# KiCad board N2360.kicad_pcb (continued)
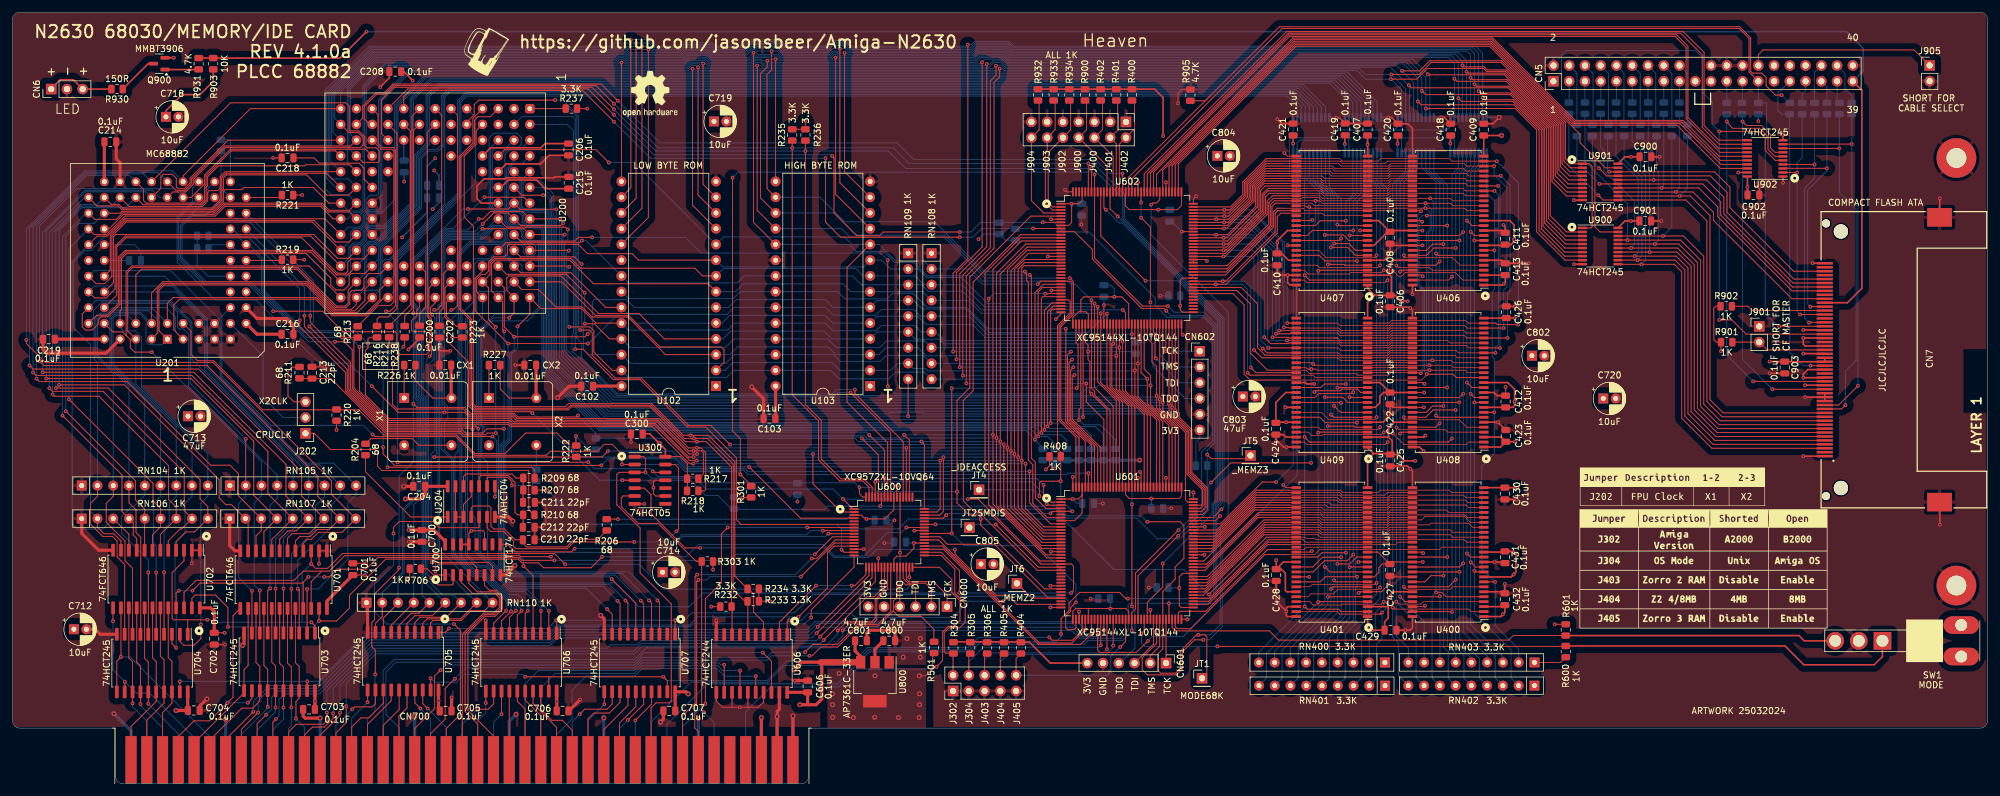
[diagram p0: board, top side]
## Routing (per net, layer and track width the routed paths; a pad name or vN(x,y) marks a point on that pad's centre or on a via; arc(x,y) is an arc through that point) (continued)
EMA1: length 110.8
  Top w0.11: 205.76,99.26 212.74,99.26 213.15,98.86 U407.24 221.63,98.86 222.03,99.26 233.89,99.26 234.3,98.86 U406.24 ; 205.86,73.11 213.68,73.11 214.07,72.72 U409.24 221.92,72.72 222.31,73.11 233.91,73.11 234.3,72.72 U408.24
  Top w0.15: U602.103 v1(194.03,91.08) 196.02,91.08 199.35,94.41 199.35,96.63 201.99,99.26 205.76,99.26 ; 205.86,73.11 v1(204.18,73.11)
  Bottom w0.15: v1(194.03,91.08) 194.03,91.08 199.34,91.08 204.18,86.25 v1(204.18,73.11)
EMA2: length 102.9
  Top w0.11: 237.27,73.52 234.47,73.52 234.07,73.91 222.29,73.91 221.89,73.52 218.54,73.52 ; 204.85,100.05 213.79,100.05 214.18,99.66 U407.25 221.78,99.66 222.18,100.05 233.97,100.05 234.36,99.66 U406.25
  Top w0.15: U408.25 240.37,73.52 v1(240.37,73.52) ; U602.105 196.1,92.08 198.83,94.82 198.83,96.84 202.04,100.05 204.85,100.05 ; U406.25 v1(238.82,99.66)
  Bottom w0.15: v1(240.37,73.52) 240.37,79.66 240.89,80.18 240.89,96.18 238.82,98.26 v1(238.82,99.66)
EMA3: length 106.3
  Top w0.11: U406.26 232.04,100.46 231.64,100.85 220.54,100.85 220.15,100.46 U407.26 214.33,100.46 213.94,100.85 205.5,100.85 ; U408.26 234.61,74.32 234.22,74.71 222.27,74.71 221.88,74.32 U409.26
  Top w0.15: U602.107 196.34,93.08 198.31,95.05 198.31,97.08 202.08,100.85 205.5,100.85 ; U408.26 239.1,74.32 239.34,74.07 v1(242.72,74.07) ; U406.26 239.23,100.46 v1(239.26,100.43)
  Bottom w0.15: v1(239.26,100.43) 242.72,96.96 v1(242.72,74.07)
EMA4: length 85.7
  Top w0.11: U409.29 213.61,74.32 214.02,73.91 221.97,73.91 222.38,74.32 U408.29 ; U406.29 221.67,100.46 221.26,100.05 214.41,100.05 214,100.46 U407.29
  Top w0.15: U407.29 202.08,100.46 198.57,96.95 198.57,94.92 196.23,92.58 v1(195.34,92.58) U602.106 ; U409.29 v1(205.47,74.32)
  Bottom w0.15: v1(195.34,92.58) 199.8,92.58 205.02,87.35 205.02,81.12 205.47,80.68 v1(205.47,74.32)
EMA5: length 86.3
  Top w0.11: U406.30 222.12,99.66 221.71,99.25 213.15,99.25 212.75,99.66 U407.30 ; 225.77,73.52 222.2,73.52 221.8,73.11 214.15,73.11 213.74,73.52 207.04,73.52
  Top w0.15: U602.104 v1(195.34,91.58) 196.03,91.58 199.09,94.64 199.09,96.74 202.01,99.66 U407.30 ; v1(204.92,73.62) 205.68,73.62 205.79,73.52 U409.30
  Bottom w0.15: v1(195.34,91.58) 200.43,91.58 204.76,87.25 204.76,80.32 204.92,80.16 v1(204.92,73.62)
EMA6: length 86.6
  Top w0.11: U409.31 213.58,72.72 213.97,72.32 222,72.32 222.4,72.72 U408.31 ; U406.31 222.1,98.86 221.71,98.46 212.82,98.46 212.43,98.86 U407.31
  Top w0.15: U407.31 201.95,98.86 199.61,96.52 199.61,94.26 195.93,90.58 v1(195.31,90.58) U602.102 ; v1(203.67,72.59) 205.89,72.59 206.02,72.72 U409.31
  Bottom w0.15: v1(203.67,72.59) 203.67,86.2 199.3,90.58 v1(195.31,90.58)
EMA7: length 87.3
  Top w0.11: 213.04,71.92 U409.32 ; 213.04,71.92 213.6,71.92 ; 213.04,71.92 213.6,71.92 ; 213.6,71.92 214,71.51 221.99,71.51 222.4,71.92 U408.32 ; U406.32 222.07,98.06 221.66,97.65 211.5,97.65 211.09,98.06 U407.32
  Top w0.15: U602.100 v1(195.3,89.58) 195.69,89.58 200.13,94.02 200.13,96.3 201.88,98.06 U407.32 ; U409.32 205.75,71.92 205.64,72.02 v1(203.09,72.02)
  Bottom w0.15: v1(195.3,89.58) 199.52,89.58 203.09,86 v1(203.09,72.02)
EMA8: length 87.3
  Top w0.11: U406.33 222.14,97.26 221.74,96.86 211.27,96.86 210.88,97.26 U407.33 ; 207.04,71.12 213.7,71.12 214.11,70.71 221.84,70.71 222.24,71.12 225.77,71.12
  Top w0.15: v1(201.77,72.04) 202.8,71.01 205.68,71.01 205.79,71.12 U409.33 ; U602.97 v1(195.23,88.08) 195.71,88.08 200.65,93.02 200.65,96.09 201.82,97.26 U407.33
  Bottom w0.15: v1(195.23,88.08) 199.64,88.08 201.77,85.94 v1(201.77,72.04)
EMA9: length 87.5
  Top w0.11: U409.34 213.67,70.32 214.06,69.92 221.85,69.92 222.24,70.32 U408.34 ; U406.34 222.11,96.46 221.7,96.05 211.22,96.05 210.81,96.46 U407.34
  Top w0.15: U602.95 v1(195.23,87.08) 195.85,87.08 201.2,92.43 201.2,95.71 201.95,96.46 U407.34 ; U409.34 v1(202.43,70.32)
  Bottom w0.15: v1(195.23,87.08) 199.95,87.08 201.24,85.78 201.24,71.52 202.44,70.32
EMA10: length 112.1
  Top w0.11: 218.55,71.12 214.06,71.12 213.67,71.51 205.44,71.51 v1(205.43,71.51) ; U406.22 234.5,97.26 234.09,97.66 222.23,97.66 221.82,97.26 U407.22 211.25,97.26 210.86,97.65 205.81,97.65 ; 218.54,71.12 221.93,71.12 222.32,71.51 231.32,71.51 231.71,71.12 237.27,71.12
  Top w0.15: 205.81,97.65 201.85,97.65 200.39,96.2 200.39,93.13 195.84,88.58 v1(194,88.58) U602.98
  Bottom w0.15: v1(194,88.58) 199.77,88.58 202.3,86.04 202.3,71.68 202.47,71.51 v1(205.43,71.51)
EMA11: length 87.3
  Top w0.11: U406.35 222.12,95.66 221.72,95.25 211.28,95.25 210.88,95.66 U407.35 ; U408.35 222.07,69.52 221.66,69.11 214.15,69.11 213.74,69.52 U409.35
  Top w0.15: U409.35 202.23,69.52 v1(201.52,70.22) ; U407.35 202.36,95.66 201.72,95.02 201.72,92.17 195.63,86.08 v1(195.22,86.08) U602.93
  Bottom w0.15: v1(201.52,70.22) 200.76,70.98 200.76,85.27 199.96,86.08 v1(195.22,86.08)
EMA12: length 87.2
  Top w0.11: U406.36 222.12,94.86 221.72,94.46 211.16,94.46 210.76,94.86 U407.36 ; U408.36 222.18,68.72 221.77,68.31 213.99,68.31 213.58,68.72 U409.36
  Top w0.15: U409.36 201.39,68.72 v1(200.13,69.97) ; U407.36 203.09,94.86 202.24,94.01 202.24,91.85 195.47,85.08 v1(195.19,85.08) U602.91
  Bottom w0.15: v1(195.19,85.08) 199.72,85.08 200.12,84.67 200.12,69.98 v1(200.13,69.97)
EMCLKE: length 87.7
  Top w0.11: U407.37 v1(210.06,94.06) 210.7,94.06 211.1,93.65 221.7,93.65 222.1,94.06 U406.37 ; 225.77,67.92 222.21,67.92 221.8,67.51 209.87,67.51 v1(209.65,67.72) 209.46,67.92 207.04,67.92
  Top w0.15: U407.37 203.41,94.06 202.76,93.41 202.76,90.09 195.75,83.08 U602.87
  Bottom w0.15: 210.04,94.05 210.04,90.6 209.65,90.21 v1(209.65,67.72)
EMD0: length 117
  Top w0.15: U401.2 214.18,27.76 213.79,28.14 208.72,28.14 v1(208.28,28.59) ; v1(208.28,55.94) 209.1,55.12 U409.2 ; v1(208.28,82.04) 209.07,81.26 U407.2
  Bottom w0.15: RN400.9 200.91,21.22 v1(208.28,28.59) 208.28,55.12 v1(208.28,82.04) 208.28,97.46 207.73,98.02 U421.18
EMD1: length 114.9
  Top w0.15: U409.4 210.54,56.72 v1(210.46,56.64) ; v1(210.47,29.3) 210.53,29.36 U401.4 ; v1(210.47,82.75) 210.58,82.86 U407.4
  Bottom w0.15: RN401.9 202.13,17.01 202.13,20.96 v1(210.47,29.3) 210.47,56.72 ; 210.47,56.74 v1(210.47,82.75) 210.47,93.35 210.67,93.56 210.67,95.5 208.38,97.8 U421.17
EMD2: length 109.8
  Top w0.15: U401.5 212.05,30.16 v1(212.02,30.13) ; U409.5 216.45,57.52 216.27,57.69 v1(212.02,57.69) ; U407.5 214.76,83.66 214.62,83.79 v1(212.02,83.79)
  Bottom w0.15: U421.15 209.68,97.43 212.02,95.08 v1(212.02,83.79) v1(212.02,57.69) v1(212.02,30.13) 212.02,28.93 204.64,21.55 204.64,16.98 203.47,15.8
EMD3: length 104.4
  Top w0.15: U409.7 212.95,59.12 v1(212.53,59.54) ; U401.7 212.86,31.76 v1(212.52,31.42) ; U407.7 216.49,85.26 215.21,86.54 v1(212.52,86.54)
  Bottom w0.15: RN400.7 205.99,21.87 212.52,28.4 v1(212.52,31.42) v1(212.52,86.54) 212.52,94.95 210.33,97.14 U421.14
EMD4: length 106.9
  Top w0.15: v1(213.01,60.97) 214.07,59.92 U409.8 ; U407.8 216.51,86.06 215.42,87.14 v1(213.01,87.14) ; U401.8 213.27,32.56 v1(213.01,32.81)
  Bottom w0.15: RN401.7 207.25,17.05 207.25,22.31 213.01,28.07 v1(213.01,32.81) v1(213.01,60.97) v1(213.01,87.14) 213.01,94.82 210.98,96.86 U421.13
EMD5: length 108.4
  Top w0.15: U409.10 215.25,61.52 214.41,62.36 v1(211.53,62.36) ; U407.10 215.4,87.66 214.51,88.55 211.54,88.55 v1(211.53,88.54) ; U401.10 212.36,34.16 v1(211.53,34.99)
  Bottom w0.15: U421.16 209.03,97.71 211.53,95.21 v1(211.53,88.54) v1(211.53,62.36) v1(211.53,34.99) 211.53,29.45 203.45,21.37 RN400.8
EMD6: length 97
  Top w0.15: U401.11 215.56,34.96 v1(215.53,34.93) ; v1(215.53,88.46) U407.11 ; U409.11 215.56,62.32 v1(215.52,62.35)
  Bottom w0.15: U420.17 216.71,95.26 215.53,94.09 v1(215.53,88.46) v1(215.53,34.93) 215.53,26.72 212.26,23.45 212.26,16.98 211.09,15.8
EMD7: length 100.3
  Top w0.15: U409.13 213.58,63.92 v1(213.56,63.9) ; v1(213.56,35.46) 215.55,35.46 216.65,36.56 U401.13 ; v1(213.56,90.24) 213.74,90.06 U407.13
  Bottom w0.15: 211.63,101.76 211.63,96.58 213.56,94.65 v1(213.56,90.24) 213.56,62.32 213.56,62.32 v1(213.56,35.46) 213.56,27.6 208.53,22.57 RN400.6
EMD8: length 109.2
  Top w0.15: v1(214.93,37.26) 211.09,37.26 210.39,36.56 U401.42 ; U409.42 210.9,63.92 211.47,64.49 v1(214.93,64.49) ; v1(214.93,90.83) 210.79,90.83 210.02,90.06 U407.42
  Bottom w0.15: RN400.5 211.07,23.22 214.93,27.08 v1(214.93,37.26) 214.93,63.89 214.93,63.89 v1(214.93,90.83) 214.93,93.86 216.06,94.99 U420.18
EMD9: length 113.2
  Top w0.15: U407.44 208.74,88.46 209.54,89.26 v1(216.13,89.26) ; U401.45 209.67,34.16 211.47,35.96 215.13,35.96 v1(216.13,36.96) ; U409.44 209.92,62.32 210.54,62.94 215.91,62.94 v1(216.12,63.15)
  Bottom w0.15: RN400.4 213.61,23.85 216.13,26.37 v1(216.13,36.96) v1(216.13,89.26) 216.13,94.03 217.36,95.25 U420.16
EMD10: length 111.5
  Top w0.15: v1(214.16,87.97) 213.85,87.66 U407.45 ; U401.44 209.6,34.96 211.18,36.54 v1(214.16,36.54) ; U409.45 214.08,61.52 v1(214.15,61.44)
  Bottom w0.15: U421.11 212.28,96.31 214.16,94.43 v1(214.16,87.97) v1(214.16,36.54) 214.16,27.07 209.73,22.64 209.73,16.99 RN401.6
EMD11: length 124.9
  Top w0.11: v1(219.88,85.26) 219.88,85.11 219.63,84.86 211.77,84.86 210.57,86.06 U407.47 ; 219.9,32.43 219.62,32.15 209.55,32.15 209.16,31.76 U401.48 ; v1(219.88,59.15) 219.46,58.72 212.19,58.72 210.99,59.92 U409.47
  Bottom w0.15: RN400.3 216.15,24.35 218.09,26.29 218.09,28.8 219.88,30.59 v1(219.88,32.39) v1(219.88,59.15) v1(219.88,85.26) 219.88,96.27 218.66,97.5 U420.14
EMD12: length 118.5
  Top w0.15: U407.48 210.64,85.26 211.55,84.35 v1(216.73,84.35) ; U409.48 210.74,59.12 211.61,58.24 v1(216.72,58.24) ; U401.47 210.79,32.56 211.62,33.39 v1(216.73,33.39)
  Bottom w0.15: RN401.4 214.82,17 214.82,24.1 216.5,25.78 216.5,31.52 216.73,31.75 v1(216.73,33.39) 216.44,33.68 216.44,36.13 216.73,36.42 216.73,37.29 216.73,59.93 v1(216.73,84.35) 216.73,93.89 218.01,95.17 U420.15
EMD13: length 130.1
  Top w0.11: U407.50 210.32,83.66 210.72,83.26 220.06,83.26 v1(220.45,83.66) ; v1(220.45,31.67) 220.15,31.37 213.64,31.37 212.88,30.61 209.29,30.61 208.84,30.16 U401.50 ; U409.50 210.47,57.52 210.88,57.11 220.03,57.11 v1(220.45,57.53)
  Bottom w0.15: U420.13 219.31,97.33 220.45,96.19 v1(220.45,83.66) v1(220.45,57.53) v1(220.45,31.67) 220.45,29.84 218.63,28.02 218.63,25.59 217.44,24.4 217.44,17.08 RN401.3
EMD14: length 127.4
  Top w0.11: U409.51 208.87,56.72 209.42,56.17 211.09,56.17 211.24,56.32 220.67,56.32 v1(221.05,56.71) ; v1(221.05,29.35) 220.67,28.97 214.4,28.97 214.25,28.82 209.66,28.82 209.12,29.36 U401.51 ; U407.51 208.24,82.86 208.85,82.24 215.47,82.24 215.68,82.45 220.64,82.45 v1(221.05,82.86)
  Bottom w0.15: U420.12 219.96,97.24 221.05,96.15 v1(221.05,82.86) v1(221.05,56.71) v1(221.05,29.35) 221.05,28.92 219.67,27.54 219.67,24.29 218.69,23.31 RN400.2
EMD15: length 131.9
  Top w0.11: v1(221.65,81.26) 221.24,80.85 208.69,80.85 208.28,81.26 U407.53 ; v1(221.67,55.12) 221.27,54.72 208.62,54.72 208.23,55.12 U409.53 ; 219.71,27.35 213.95,27.35 213.55,27.76 U401.53
  Top w0.15: 219.71,27.35 220.5,27.35 v1(220.76,27.61)
  Bottom w0.15: U420.11 220.61,97.02 221.65,95.98 v1(221.65,81.26) 221.67,81.24 v1(221.67,55.12) 221.67,28.52 v1(220.76,27.61) 220.76,23.37 219.87,22.48 219.87,16.97 218.71,15.8
EMD16: length 134.2
  Top w0.11: U408.2 234.71,55.12 234.31,54.72 224.3,54.72 v1(222.48,56.54) ; v1(222.48,82.8) 223.41,81.87 223.91,81.87 224.49,82.45 232.6,82.45 233.79,81.26 U406.2 ; U400.2 235.12,27.76 234.71,28.17 222.74,28.17 v1(222.48,28.42)
  Bottom w0.15: RN402.9 223.39,17.42 223.39,22.7 222.48,23.62 v1(222.48,28.42) v1(222.48,56.54) v1(222.48,82.8) 222.48,96.77 224.57,98.86 U419.18
EMD17: length 127.2
  Top w0.11: U408.4 231.36,56.72 230.97,57.11 223.45,57.11 v1(223.09,57.48) ; v1(223.1,83.61) 223.45,83.25 228.46,83.25 228.85,82.86 U406.4 ; U400.4 227.45,29.36 227.06,28.97 223.45,28.97 v1(223.06,29.36)
  Bottom w0.15: U419.17 225.22,99.07 223.1,96.95 v1(223.1,83.61) 223.1,29.4 v1(223.06,29.36) ; RN403.9 225.01,21.86 223.06,23.81 v1(223.06,29.36) ; v1(223.06,29.36) 223.08,29.38
EMD18: length 125.2
  Top w0.11: U406.5 233.33,83.66 232.13,84.86 224.42,84.86 224.28,85 v1(224.28,85.26) ; U400.7 232.12,31.76 231.72,31.37 224.65,31.37 v1(224.26,31.76) ; U408.5 234.42,57.52 233.23,58.71 224.37,58.71 224.27,58.81 v1(224.27,59.13)
  Bottom w0.15: U419.15 226.52,99.31 224.28,97.07 v1(224.28,85.26) 224.28,59.12 ; 224.28,59.12 224.28,59.11 ; 224.28,59.12 224.26,59.1 v1(224.26,31.76) 224.26,29.4 227.55,26.11 RN403.8
EMD19: length 111.3
  Top w0.15: v1(229.47,30.87) 230.39,30.87 231.1,30.16 U400.5 ; v1(229.46,59.41) 229.75,59.12 U408.7 ; U406.7 229.75,85.26 v1(229.47,85.54)
  Bottom w0.15: RN402.7 228.82,17.07 228.82,30.22 v1(229.47,30.87) 229.47,59.92 229.47,59.92 v1(229.47,85.54) 229.47,97.12 227.17,99.43 U419.14
EMD20: length 91.6
  Top w0.15: v1(238.86,59.91) 238.86,59.92 U408.8 ; v1(238.99,32.55) 238.99,32.56 U400.8 ; v1(238.87,86.04) 238.86,86.06 U406.8
  Bottom w0.15: 242.79,19.55 242.79,21.7 238.99,25.49 v1(238.99,32.55) 236.83,34.72 236.83,51.22 238.86,53.25 v1(238.86,59.91) 238.86,68.54 238.51,68.89 238.51,79.39 238.87,79.76 v1(238.87,86.04) 238.87,94.04 237.62,95.29 U418.11
EMD21: length 94.1
  Top w0.15: U408.10 v1(235.64,61.52) ; v1(235.65,34.36) 235.85,34.16 U400.10 ; U406.10 235.66,87.66 v1(235.65,87.65)
  Bottom w0.15: U418.12 236.97,99.86 235.65,98.53 v1(235.65,87.65) v1(235.65,34.36) 235.65,27.5 241.55,21.59 241.55,17.04 RN402.2
EMD22: length 92.1
  Top w0.15: v1(235.05,89.04) 235.63,88.46 U406.11 ; v1(235.04,62.91) 235.63,62.32 U408.11 ; v1(235.05,35.73) 235.82,34.96 U400.11
  Bottom w0.15: U418.13 236.32,99.79 235.05,98.52 v1(235.05,89.04) v1(235.05,35.73) 235.05,25.68 240.25,20.48 RN403.3
EMD23: length 97.9
  Top w0.15: U408.13 235.25,63.92 v1(234.44,64.73) ; v1(234.45,37.14) 235.03,36.56 U400.13 ; U406.13 235.25,90.06 v1(234.45,90.86)
  Bottom w0.15: RN402.3 239,17.05 239,20.6 234.45,25.16 v1(234.45,37.14) v1(234.45,90.86) 234.45,98.5 235.67,99.73 U418.14
EMD24: length 100.5
  Top w0.15: v1(231.26,63.93) 231.25,63.92 U408.42 ; U400.42 231.26,36.56 v1(231.27,36.57) ; v1(231.27,90.06) U406.42
  Bottom w0.15: U419.11 229.12,98.72 231.27,96.57 v1(231.27,90.06) v1(231.27,36.57) 231.27,22.34 232.63,20.98 RN403.6
EMD25: length 109.6
  Top w0.15: v1(233.85,89.03) 233.28,88.46 U406.44 ; v1(233.84,62.9) 233.26,62.32 U408.44 ; U400.44 233.25,34.96 v1(233.85,35.56)
  Bottom w0.15: 237.71,19.55 237.71,20.57 233.85,24.43 v1(233.85,35.56) v1(233.85,89.03) 233.85,98.59 235.02,99.76 U418.15
EMD26: length 111
  Top w0.15: U408.45 233.23,61.52 v1(233.24,61.53) ; U400.45 233.23,34.16 v1(233.25,34.18) ; v1(233.25,87.66) U406.45
  Bottom w0.15: RN402.4 236.46,17.05 236.46,20.18 233.25,23.4 v1(233.25,34.18) v1(233.25,87.66) 233.25,98.44 234.37,99.57 U418.16
EMD27: length 104
  Top w0.15: v1(230.67,33.56) 228.66,33.56 227.66,32.56 U400.47 ; U408.47 227.88,59.92 228.89,60.93 v1(230.66,60.93) ; U406.47 227.92,86.06 228.92,87.06 v1(230.67,87.06)
  Bottom w0.15: U419.12 228.47,98.9 230.67,96.7 v1(230.67,87.06) v1(230.67,33.56) 230.67,22.06 231.43,21.29 231.43,17 RN402.6
EMD28: length 105.5
  Top w0.15: v1(232.65,86.44) 229.11,86.44 227.93,85.26 U406.48 ; U400.48 231.48,31.76 v1(232.65,32.93) ; U408.48 227.81,59.12 229,60.31 v1(232.64,60.31)
  Bottom w0.15: 235.17,20.22 232.65,22.74 v1(232.65,32.93) v1(232.65,86.44) 232.65,98.4 233.72,99.48 U418.17
EMD29: length 96.9
  Top w0.15: U406.50 229.45,83.66 v1(230.07,84.28) ; v1(230.07,30.24) 229.99,30.16 U400.50 ; U408.50 229.43,57.52 v1(230.06,58.15)
  Bottom w0.15: U419.13 227.82,99.19 230.07,96.93 v1(230.07,84.28) v1(230.07,30.24) 230.09,30.22 230.09,19.55
EMD30: length 95
  Top w0.15: v1(223.68,82.61) 223.93,82.86 U406.51 ; v1(223.67,56.48) 223.91,56.72 U408.51 ; U400.51 224.46,29.36 v1(223.66,30.16)
  Bottom w0.15: RN402.8 226.25,17.1 226.25,26.11 223.66,28.71 v1(223.66,30.16) 223.68,30.18 v1(223.68,82.61) 223.68,97.08 225.87,99.27 U419.16
EMD31: length 107.3
  Top w0.11: v1(232.05,81.81) 231.5,81.26 U406.53
  Top w0.15: U400.53 231.99,27.76 v1(232.05,27.7) ; v1(232.04,55.68) 231.48,55.12 U408.53
  Bottom w0.15: RN402.5 233.96,17.01 233.96,20.67 232.05,22.59 v1(232.05,27.7) v1(232.05,81.81) 232.05,98.34 233.07,99.36 U418.18
EMDDIR: length 109.8
  Top w0.15: v1(203.68,48.66) 201.45,48.66 194.72,41.93 U601.100
  Bottom w0.15: 213.81,105.65 212.38,104.22 206.04,104.22 205.84,104.02 ; 213.81,105.65 213.65,105.49 222.78,105.49 ; 213.81,105.65 214.76,106.6 U420.1 ; 222.78,105.49 231.2,105.49 231.77,106.06 U418.1 ; 222.78,105.49 223.27,105.98 U419.1 ; v1(203.68,48.66) 206.44,51.42 206.44,97.62 205.84,98.23 205.84,104.02 ; 205.84,104.02 205.85,104.02 206.43,104.6 U421.1
FC0: length 248
  Top w0.15: U601.20 166.74,36.43 158.05,45.12 v1(158.05,56.3) 158.05,82.98 162.65,87.58 U602.13 ; U600.50 144.57,55.45 v1(143.72,56.3) ; U200.41 74.75,105.35 74.75,103.18 72.82,101.25 72.82,91.43 74.31,89.94 74.31,73.06 74.28,73.03 74.28,61.29 74.75,60.83 89.12,60.83 89.61,61.31 103.05,61.31 108.15,56.21 v1(109.31,56.21) 112.17,56.21 116.44,51.94 116.44,33.49 R234.1 ; U606.4 121.08,26.05 119.45,27.68 119.45,30.62 118.64,31.43
  Bottom w0.15: v1(158.05,56.3) v1(143.72,56.3) 143.2,55.78 137.67,55.78 137.24,56.21 v1(109.31,56.21)
FC1: length 250.6
  Top w0.15: v1(136.93,55.71) 139.57,53.07 U600.60 ; U602.14 163.35,87.08 158.62,82.35 v1(158.62,55.78) 158.62,44.91 166.61,36.93 U601.19 ; U606.6 118.54,29.39 ; U200.27 77.02,107.62 75.03,107.62 74.49,107.08 74.49,103.29 72.27,101.07 72.27,76.68 74.02,74.93 74.02,61.19 74.64,60.57 89.46,60.57 89.95,61.05 102.94,61.05 108.28,55.71 v1(109.83,55.71) 112.02,55.71 116.18,51.55 116.18,31.3 118.05,29.43 R233.1
  Bottom w0.15: v1(109.83,55.71) 111.18,55.71 111.42,55.95 136.69,55.95 v1(136.93,55.71) 137.24,55.71 137.43,55.52 143.44,55.52 143.7,55.78 v1(158.62,55.78)
FC2: length 245.9
  Top w0.15: v1(146.52,55.2) 146.99,54.74 U600.48 ; U606.8 116,28.48 ; U602.15 163.55,86.58 159.22,82.25 v1(159.22,55.2) 159.22,44.68 165.97,37.93 U601.17 ; R232.1 115.92,51.09 111.82,55.19 v1(110.33,55.19) 108.44,55.19 102.83,60.79 90.05,60.79 89.57,60.31 74.73,60.31 74.53,60.31 73.76,61.08 73.76,74.82 72.01,76.57 72.01,101.18 74.23,103.39 74.23,107.37 U200.40
  Bottom w0.15: v1(110.33,55.19) 111.02,55.19 111.53,55.69 135.85,55.69 136.36,55.19 159.21,55.19 v1(159.22,55.2)
IDE0: length 20.1
  Top w0.15: 170.56,110.03 170.56,105.48 CJ2.10 166.95,101.87 166.95,93.77 167.65,93.08 U602.2
IDE1: length 19.9
  Top w0.15: U602.3 167.63,92.58 166.49,93.71 166.49,101.96 166.79,102.26 CJ2.12 168.07,105.53 168.07,110
IDE2: length 22.1
  Top w0.15: U602.4 166.24,92.08 164.25,94.07 CJ2.14 165.48,105.48 165.48,110.06
IDEDIR: length 102
  Top w0.15: U602.110 187.92,100.02 206.89,118.99 238.08,118.99 250.33,106.74 250.33,100.84 251.15,100.03 U901.1 254.2,100.03 254.62,99.6 254.62,89.85 254.45,89.68 253.06,89.68
INTRQ: length 131.4
  Top w0.15: U602.126 179.92,97.86 193.02,110.96 ; 193.02,110.96 204.2,122.14 277.84,122.14 278.41,122.14 280.18,120.36 280.18,114.94 280.47,114.65 281.97,114.65 282.67,113.95 282.67,112.6 284.17,111.1 v1(285.17,111.1) ; 193.02,110.96 192.25,110.19 R905.2
  Bottom w0.15: 286.41,109.87 v1(285.17,111.1)
IORDY: length 169.2
  Top w0.15: 281.41,113.35 279.92,114.83 279.92,120.25 278.3,121.88 204.69,121.88 180.42,97.62 U602.125 ; CN7.42 v1(284.78,73.8)
  Bottom w0.15: R904.2 282.66,109.87 282.75,109.78 282.75,104.08 282.52,103.85 282.52,75.85 284.58,73.8 v1(284.78,73.8) ; 281.41,109.88 281.41,113.35
IPLCLK: length 58.9
  Top w0.15: U700.9 79.77,38.61 80.97,37.4 90.09,37.4 v1(90.62,37.93) ; U600.8 v1(130.62,40.83)
  Bottom w0.15: v1(90.62,37.93) 105.69,37.93 107.92,40.16 128.01,40.16 128.68,40.83 v1(130.62,40.83)
J400: length 16.2
  Top w0.15: 175.7,109.94 175.7,105.54 174.41,104.25 177.42,101.23 U602.131
J401: length 15.4
  Top w0.15: U602.130 177.92,103.27 CJ2.4 178.14,105.44 178.14,110.03
J402: length 15.4
  Top w0.15: U602.129 178.42,103.18 CJ2.2 180.86,105.62 180.86,109.83
MODE68K: length 179.3
  Top w0.15: U602.116 184.92,94.23 184.38,93.69 183.81,93.69 v1(183.54,93.42) ; 192.51,17.76 192.51,23.72 192.22,24.01 v1(191.14,24.01) 190.88,24.01 188.28,21.41 188.28,18.58 187.52,17.81 185.08,17.81 184.65,18.24 184.65,20.95 185.42,21.72 U601.66 185.42,31 187.42,33 187.42,34.96 188.82,36.36 188.82,41.65 188.21,42.26 v1(182.91,42.26) ; U600.61 v1(139.07,48.7)
  Bottom w0.15: v1(182.91,42.26) 181.96,43.21 169.75,43.21 164.26,48.7 v1(139.07,48.7) ; v1(183.54,93.42) 183.54,88.54 195.96,76.11 195.96,42.75 194.68,41.47 194.68,25.63 193.06,24.01 v1(191.14,24.01)
OSMODE: length 32
  Top w0.15: CJ1.4 154.16,20.75 ; U601.46 v1(175.42,22.3)
  Bottom w0.15: CJ1.4 154.16,19.68 156.48,22 175.12,22 v1(175.42,22.3)
R_W: length 241.1
  Top w0.15: v1(149.55,52.13) 149.55,44.36 149.02,43.83 U600.47 ; U601.11 166.2,40.93 162.7,44.43 v1(162.7,52.13) 162.7,83.23 163.05,83.58 U602.21 ; v1(110.33,52.14) 109.21,52.14 103.49,57.86 80.46,57.86 80.03,58.3 60.59,58.3 55.04,63.84 55.04,71.38 R213.1 v1(53.14,72)
  Bottom w0.15: v1(110.33,52.14) 162.69,52.14 v1(162.7,52.13) ; v1(53.14,72) 47.42,72 38.42,80.99 31.21,80.99 27.34,84.87 27.33,89.97 29.03,91.66 31.11,91.66 34.04,94.59 U201.28 33.61,96.11 R231.1
SIZ0: length 266.6
  Top w0.15: U602.139 v1(173.42,100.06) ; v1(194.88,44.28) 193.53,42.93 U601.102 ; v1(96.97,109.7) 94.05,112.63 61.43,112.63 60.06,111.25 58.72,111.25 56.72,109.25 56.72,107.28 57.62,106.38 ; U600.63 138.07,47.84 137.06,48.85 133.32,48.85 129.93,52.24 129.93,58.52 125.69,62.76 v1(125.69,102.59) R235.1
  Bottom w0.15: v1(194.88,44.28) 195.29,44.69 195.29,75.14 179.23,91.2 179.23,95.1 174.28,100.06 v1(173.42,100.06) 144.55,100.06 142.01,102.59 v1(125.69,102.59) 104.08,102.59 v1(96.97,109.7)
SIZ1: length 265.5
  Top w0.15: v1(194.65,43.18) 193.9,42.43 U601.101 ; 127.81,103.77 v1(127.81,102.09) 127.82,102.09 127.82,61.19 130.37,58.63 130.37,52.37 133.56,49.18 137.24,49.18 138.57,47.85 U600.62 ; U200.83 59.51,104.87 59.51,110.34 61.54,112.37 93.41,112.37 v1(96.97,108.8) ; U602.138 v1(173.92,99.26)
  Bottom w0.15: v1(194.65,43.18) 194.39,43.44 194.39,44.71 195.03,45.35 195.03,75.03 178.97,91.09 178.97,94.47 174.18,99.26 v1(173.92,99.26) 144.01,99.26 141.18,102.09 v1(127.81,102.09) 103.68,102.09 v1(96.97,108.8)
SMDIS: length 24.9
  Top w0.15: U601.23 165.38,34.93 v1(158.48,41.83) ; U600.43 v1(148.8,41.83)
  Bottom w0.15: v1(158.48,41.83) v1(148.8,41.83)
TRISTATE: length 55.6
  Top w0.15: v1(159.69,29.43) 159.18,29.43 149.28,39.33 U600.38 ; U606.1 124.89,26.03 v1(125.22,26.36)
  Bottom w0.15: v1(125.22,26.36) 127.19,26.36 128.31,27.48 135.2,27.48 135.89,26.79 151.51,26.79 154.15,29.43 v1(159.69,29.43)
Z2AUTO: length 30.8
  Top w0.15: U601.48 v1(176.42,21.68) ; CJ1.6 156.7,20.57
  Bottom w0.15: v1(176.42,21.68) 175.84,21.1 157.81,21.1 156.7,19.99 CJ1.6
ZBANK0: length 51.6
  Top w0.11: 205.82,42.55 210.64,42.55 211.04,42.16 U401.20 ; 218.36,42.16 221.58,42.16 221.97,42.56 227.13,42.56 227.72,43.14 234.03,43.14 235.01,42.16 U400.20
  Top w0.15: 205.82,42.55 201.71,42.55 192.59,33.43 U601.83
ZBANK1: length 50.8
  Top w0.11: 218.36,42.96 221.67,42.96 222.06,43.36 234.13,43.36 234.52,42.96 237.09,42.96 ; 205.81,43.37 210.88,43.37 211.29,42.96 U401.21
  Top w0.15: 205.81,43.37 200.81,43.37 192.37,34.93 U601.86
ZCLKE: length 39.7
  Top w0.11: 225.59,40.56 222.03,40.56 221.63,40.16 211.04,40.16 210.63,40.56 206.86,40.56
  Top w0.15: U401.37 201.76,40.56 192.13,30.93 U601.78
ZMA0: length 50.3
  Top w0.11: 205.84,44.95 211.68,44.95 212.08,44.56 U401.23 ; 218.25,44.56 221.69,44.56 222.08,44.96 234.3,44.96 234.7,44.56 237.09,44.56
  Top w0.15: U601.92 193.3,37.93 200.33,44.95 205.84,44.95
ZMA1: length 50.1
  Top w0.11: 237.09,45.36 234.58,45.36 234.19,45.76 221.93,45.76 221.54,45.36 218.36,45.36 ; U401.24 213.87,45.36 213.47,45.75 205.84,45.75
  Top w0.15: 205.84,45.75 200.39,45.75 193.57,38.93 U601.94
ZMA2: length 50.1
  Top w0.11: 218.36,46.16 221.72,46.16 222.11,46.56 233.9,46.56 234.29,46.16 237.09,46.16 ; 205.65,46.57 213.95,46.57 214.36,46.16 U401.25
  Top w0.15: 205.65,46.57 200.47,46.57 193.83,39.93 U601.96
ZMA3: length 50
  Top w0.11: 237.09,46.96 231.97,46.96 231.57,47.36 220.47,47.36 220.08,46.96 218.36,46.96 ; U401.26 214.46,46.96 214.06,47.35 205.82,47.35
  Top w0.15: 205.82,47.35 200.52,47.35 194.1,40.93 U601.98
ZMA4: length 38.4
  Top w0.11: 225.59,46.96 221.6,46.96 221.19,46.56 214.34,46.56 213.93,46.96 206.86,46.96
  Top w0.15: U401.29 200.5,46.96 193.97,40.43 U601.97
ZMA5: length 38.5
  Top w0.11: 206.86,46.16 213.56,46.16 213.97,45.76 221.62,45.76 222.03,46.16 225.59,46.16
  Top w0.15: U401.30 200.43,46.16 193.7,39.43 U601.95
ZMA6: length 38.5
  Top w0.11: 206.86,45.36 212.18,45.36 212.58,44.96 221.63,44.96 222.03,45.36 225.59,45.36
  Top w0.15: U601.93 193.43,38.43 200.37,45.36 U401.31
ZMA7: length 38.6
  Top w0.11: 206.86,44.56 211.02,44.56 211.43,44.16 221.59,44.16 222,44.56 225.59,44.56
  Top w0.15: U601.91 193.17,37.43 200.3,44.56 U401.32
ZMA8: length 39.1
  Top w0.11: 206.86,43.76 210.81,43.76 211.22,43.36 221.66,43.36 222.07,43.76 225.59,43.76
  Top w0.15: U401.33 200.83,43.76 192.5,35.43 U601.87
ZMA9: length 39.2
  Top w0.11: 206.86,42.96 210.72,42.96 211.12,42.56 221.57,42.56 221.98,42.96 225.59,42.96
  Top w0.15: U601.85 192.24,34.43 200.77,42.96 U401.34
ZMA10: length 50.7
  Top w0.11: 205.81,44.16 210.84,44.16 211.25,43.76 U401.22 ; 237.09,43.76 231.54,43.76 231.14,44.16 222.15,44.16 221.76,43.76 218.36,43.76
  Top w0.15: 205.81,44.16 200.27,44.16 192.04,35.93 U601.88
ZMA11: length 39.5
  Top w0.11: 225.59,42.16 221.93,42.16 221.53,41.76 211.11,41.76 210.7,42.16 206.86,42.16
  Top w0.15: U401.35 201.85,42.16 192.62,32.93 U601.82
ZMA12: length 39.6
  Top w0.11: 206.86,41.36 210.69,41.36 211.1,40.96 221.64,40.96 222.05,41.36 225.59,41.36
  Top w0.15: U401.36 201.83,41.36 192.4,31.93 U601.80
Net-(C210-Pad1): length 28.8
  Top w0.15: 82.27,38.8 82.88,38.19 89.31,38.19 90.56,39.44 94.39,39.44 R206.1 ; U204.4 73.96,44.49 74.27,44.8 76.82,44.8 77.12,44.5 77.12,41.55 77.58,41.09 79.29,41.09 81.04,39.34 C210.1
Net-(C211-Pad1): length 15.6
  Top w0.15: R209.2 81.15,49.32 80.51,49.96 73.1,49.96 72.69,49.55 U204.12 ; C211.1 82.31,49.28
Net-(C212-Pad1): length 16.1
  Top w0.15: 82.32,41.41 R210.2 81.43,43.38 81.01,43.79 81.01,48.63 79.94,49.7 75.5,49.7 75.23,49.44 U204.10
Net-(C213-Pad1): length 46.8
  Top w0.15: U204.8 v1(77.77,46.29) ; 46.28,65.37 48.27,65.37 ; v1(77.39,56.01) 72.67,56.01 72.12,56.55 60.13,56.55 51.32,65.36 C213.1
  Bottom w0.15: v1(77.77,46.29) 78.09,46.61 78.09,55.31 v1(77.39,56.01)
Net-(CN5-Pin_3): length 3.4
  Bottom w0.15: CN5.3 250.93,109.97
Net-(CN5-Pin_4): length 10.1
  Bottom w0.15: CN5.4 252.17,114.64 R914.1
Net-(CN5-Pin_5): length 3.4
  Bottom w0.15: 253.47,113.35 253.47,109.92
Net-(CN5-Pin_6): length 10
  Bottom w0.15: 254.77,106.42 254.77,114.58 253.47,115.89
Net-(CN5-Pin_7): length 3.4
  Bottom w0.15: CN5.7 256.01,109.95
Net-(CN5-Pin_8): length 10.1
  Bottom w0.15: CN5.8 257.27,114.62 R916.1
Net-(CN5-Pin_9): length 3.4
  Bottom w0.15: CN5.9 258.55,109.99
Net-(CN5-Pin_10): length 10.1
  Bottom w0.15: 259.75,106.34 259.75,114.68 CN5.10
Net-(CN5-Pin_11): length 3.4
  Bottom w0.15: 261.09,113.35 261.09,109.93
Net-(CN5-Pin_12): length 10.1
  Bottom w0.15: 261.09,115.89 262.37,114.6 R918.1
Net-(CN5-Pin_13): length 3.4
  Bottom w0.15: CN5.13 263.63,109.96
Net-(CN5-Pin_14): length 10
  Bottom w0.15: 264.87,106.42 264.87,114.64 CN5.14
Net-(CN5-Pin_15): length 3.4
  Bottom w0.15: CN5.15 266.17,109.92
Net-(CN5-Pin_16): length 10.1
  Bottom w0.15: CN5.16 267.47,114.58 R920.1
Net-(CN5-Pin_17): length 3.4
  Bottom w0.15: 268.71,113.35 268.71,109.95
Net-(CN5-Pin_18): length 10.1
  Bottom w0.15: R921.1 269.97,114.62 268.71,115.89
Net-(CN5-Pin_23): length 3.5
  Bottom w0.15: CN5.23 276.33,109.87
Net-(CN5-Pin_25): length 3.4
  Bottom w0.15: CN5.25 278.87,109.96
Net-(CN5-Pin_33): length 3.7
  Bottom w0.15: 289.03,113.35 289.03,111.81 288.47,111.25 R926.2
Net-(CN5-Pin_35): length 3.9
  Bottom w0.15: R925.2 292.47,112.44 CN5.35
Net-(CN5-Pin_36): length 6.5
  Bottom w0.15: R927.1 290.47,114.79 CN5.36
Net-(CN5-Pin_37): length 3.1
  Bottom w0.15: 294.11,110.23 294.11,113.35
Net-(CN5-Pin_38): length 7
  Bottom w0.15: 294.11,115.89 295.37,114.62 295.37,112.2 296.47,111.1 R929.1
Net-(CN6-Pin_1): length 10.9
  Top w0.25: 15.96,112.08 CN6.3 9.82,113.59 7.69,113.59 6.25,112.15
Net-(CN7-Pad44): length 15.3
  Top w0.15: R902.2 279.74,77.04 280.44,76.34 CN7.44
Net-(J202-A): length 47.3
  Top w0.15: J202.1 48.66,56.53 51.28,53.92 58.49,53.92 58.86,53.54 58.86,51.22 59.54,50.54 83.13,50.54 83.23,50.44 83.23,44.16 84.02,43.38
Net-(J202-B): length 9.3
  Top w0.15: 46.28,67.2 45.04,67.2 44.42,66.58 44.42,62.55 45.36,61.61 J202.3
Net-(J202-C): length 22.3
  Bottom w0.15: J202.2 43.65,59.07 40.4,62.33 40.4,69 35.13,74.27
Net-(Q900-B): length 5.4
  Top w0.25: Q900.1 29.99,115.23
Net-(Q900-C): length 6.6
  Top w0.25: Q900.3 21.88,116.18 R930.1
Net-(R203-Pad1): length 10.5
  Top w0.15: v1(80.51,48.11) 80.51,48.74 79.81,49.44 76.64,49.44 76.5,49.31 U204.9
  Bottom w0.15: v1(80.51,48.11) 83.68,48.11 R203.1
Net-(R204-Pad1): length 18.9
  Top w0.15: U204.1 64.21,43.04 56.92,50.33 R204.1
Net-(U200-BERR): length 36.1
  Top w0.15: R238.2 63.22,75.45 64.41,76.64 64.41,107.71 U200.69
Net-(U201-A0): length 5.4
  Top w0.15: U201.26 43.05,94.59
Net-(U201-SIZE): length 5.6
  Top w0.15: U201.18 43.31,84.43
Net-(U204-Pad6): length 48
  Top w0.15: U300.13 106.78,51.49 107.37,50.9 107.37,41.05 v1(107.02,40.7) ; v1(100.22,39) 90.49,39 89.39,37.9 81.17,37.9 80.77,38.3 80.77,39.1 79.17,40.7 77.07,40.7 76.5,41.28 U204.6
  Bottom w0.15: v1(107.02,40.7) 105.32,39 v1(100.22,39)
Net-(U204-Pad11): length 11.7
  Top w0.15: U204.11 73.96,46.32 72.69,45.05 U204.3 U204.2 U204.13
Net-(U700-~{Mr}): length 4.3
  Top w0.15: R706.2 66.85,34.66 67.86,33.66 U700.1
Net-(X1-OUT): length 14.6
  Top w0.15: R204.2 57.77,55.68 64.45,55.68 65.53,54.6 X1.5
Net-(X1-Tristate): length 5.3
  Top w0.15: R226.2 63.14,62.23
Net-(X2-OUT): length 3.9
  Bottom w0.15: X2.5 84.45,50.71
Net-(X2-Tristate): length 5.3
  Top w0.15: R227.2 76.81,62.25

## Copper pours and planes (outline as drawn; the poured copper is in the pictures)
+3V3 on Top: 147.29,8.97 131.34,8.97 131.34,18.64 147.29,18.64
+3V3 on In2.Cu: 243.87,73.2 251.8,73.2 251.93,8.92 129.3,8.96 129.41,54.82 141.33,54.84 141.38,84.22 141.44,105.65 243.92,105.4
+5V on In2.Cu: 140.69,124.44 318.32,124.44 318.32,8.95 252.82,8.9 252.72,73.75 244.47,73.75 244.62,106.08 140.67,106.28 140.67,55.67 128.73,55.65 128.72,8.97 0.03,8.96 0.03,124.44
GND on Top: 318.15,70.13 314.48,70.13 314.48,59.86 318.15,59.86 318.15,9.14 148.42,9.13 148.43,26.38 130.18,26.29 130.22,9.15 -0.29,9.13 -0.27,124.64 318.15,124.66
GND on Top: 147.28,26.32 147.28,19.15 141.05,19.15 141.06,26.32
GND on Bottom: 318.2,70.05 314.52,70.05 314.52,59.78 318.2,59.78 318.2,9.06 -0.25,9.05 -0.22,124.57 318.2,124.58
GND on In1.Cu: 318.35,69.95 314.67,69.95 314.67,59.68 318.35,59.68 318.35,8.96 -0.1,8.95 -0.07,124.47 318.35,124.48

Small or netless copper shapes (teardrops, artwork), in the pictures only: 936 on Top, 826 on Bottom

## Text on the board
B.Silkscreen: ALL 1K | ALL 22 OHM | 4
F.Silkscreen: ARTWORK 25032024 | X2CLK | CPUCLK | LOW BYTE ROM | HIGH BYTE ROM | ALL 1K | 2 | 1 | 40 | 39 | SHORT FOR / CABLE SELECT | TCK | TMS | TDO | GND | TDI | 3V3 | J302 | J304 | J403 | J404 | J405 | J904 | J903 | J902 | J900 | J400 | J401 | J402 | SHORT FOR / CF MASTER | JLCJLCJLCJLC | + | - | LAYER 1 | Heaven | https://github.com/jasonsbeer/Amiga-N2630 | N2630 68030/MEMORY/IDE CARD / REV 4.1.0a / PLCC 68882
In1.Cu: 2
In2.Cu: 3
